# KiCad board jetson-agx-thor-baseboard.kicad_pcb (continued)
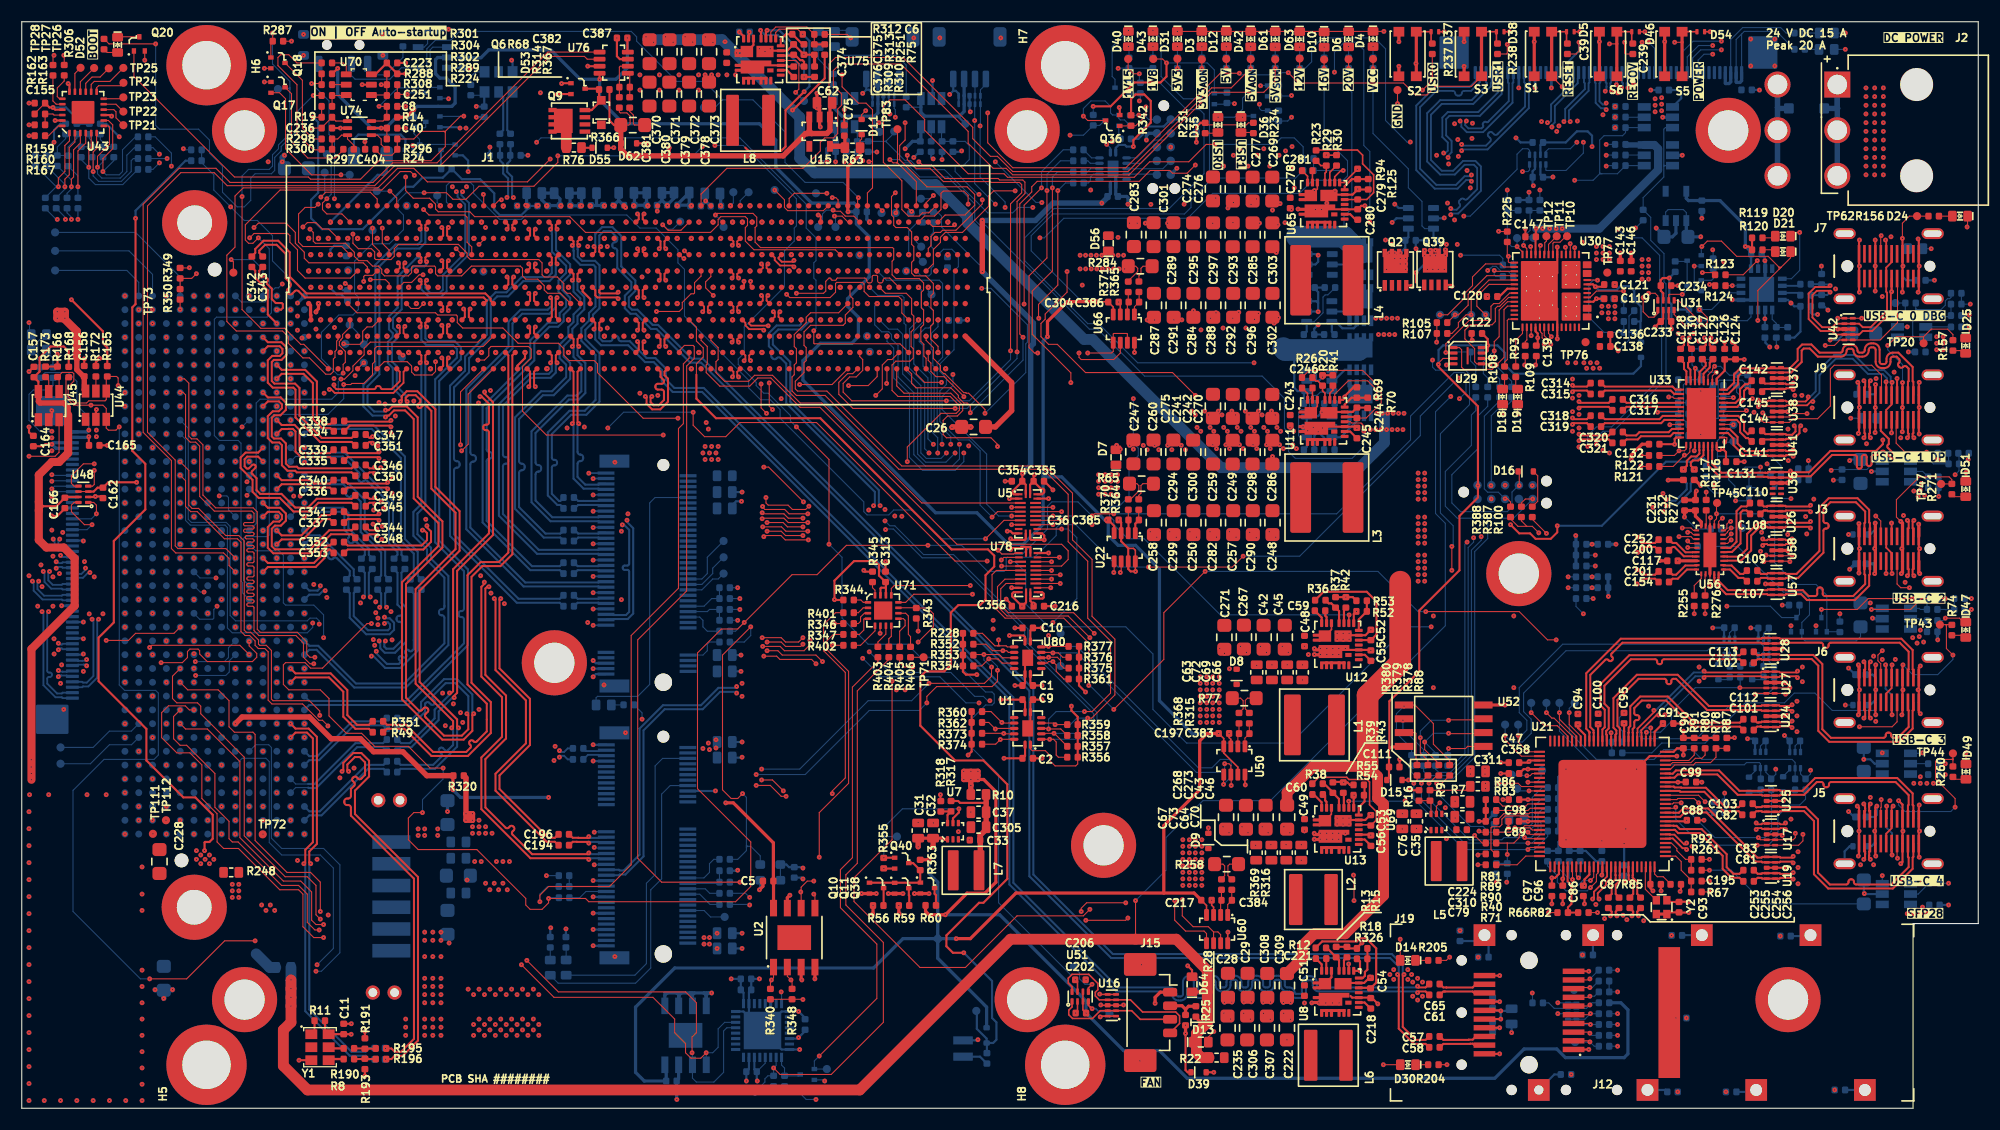
[diagram p0: board, top side]
## Copper pours and planes (outline as drawn; the poured copper is in the pictures) (continued)
/Expansion connector/+VCC_FMC on Bottom: 32.05,17.73 38.05,17.73 38.55,17.23 39.55,17.23 39.55,18.23 40.05,18.73 40.05,20.23 39.55,20.73 37.55,20.73 36.55,21.73 32.05,21.73
/M.2/3V3_M2 on Bottom: 64.57,54.01 60.32,54.01 60.32,41.51 62.67,41.51 63.57,42.41 64.57,42.41 64.57,39.51 57.87,39.51 57.87,55.96 62.17,55.96 62.17,57.41 60.37,57.41 60.37,58.91 64.57,58.91
GND on Top: 115.18,84.6 116.47,83.31 117.02,83.31 117.12,83.21 119.32,83.21 119.32,84.71 121.07,84.71 121.07,81.96 118.07,81.96 118.07,80.21 99.27,80.21 99.27,81.41 102.71,84.6
GND on Top: 115.27,71.41 116.07,72.21 116.07,73.46 115.63,73.9 103.32,73.9 103.32,71.41
GND on Top: 0.07,29.41 11.57,29.41 11.57,-0.29 0.07,-0.29
GND on Top: 67.47,97.91 69.27,97.91 69.27,95.11 69.07,94.91 66.07,94.91 66.07,93.71 64.07,93.71 63.67,93.31 56.87,93.31 56.87,97.24 63.75,97.24 64.28,96.71 65.27,96.71 65.47,96.51 67.47,96.51
GND on Top: 129.27,38.31 137.77,38.31 137.77,45.66 129.27,45.66
GND on Top: 81.88,24.35 87.52,24.35 87.71,25.43 87.71,27.87 86.76,27.87 85.94,26.53 85.93,25.95 85.04,25.96 84.5,26.66 81.88,26.67
GND on Top: 115.18,64.6 116.32,63.46 117.07,63.46 117.32,63.21 119.32,63.21 119.32,64.71 121.07,64.71 121.07,61.96 118.07,61.96 118.07,60.21 100.27,60.21 100.27,62.46 102.71,64.6
GND on Top: 126.36,24.75 132.27,24.75 132.27,28.81 131.27,28.81 130.42,27.38 130.41,26.8 129.52,26.81 128.98,27.51 126.36,27.52
GND on Top: 120.57,44.21 122.57,44.21 122.57,41.21 119.44,41.21 119.07,40.84 119.07,40.46 118.73,40.12 110.66,40.12 109.82,40.96 109.82,43.46 117.07,43.46 117.53,43 118.53,43 118.82,42.71 120.57,42.71
GND on Top: 120.57,10.71 120.57,12.21 122.57,12.21 122.57,9.21 119.32,9.21 119.32,7.96 118.07,7.96 117.57,7.46 110.32,7.46 109.82,7.96 109.82,11.21 117.32,11.21 117.7,10.83 118.7,10.83 118.82,10.71
GND on Top: 115.27,51.41 116.07,52.21 116.07,53.46 115.63,53.9 103.32,53.9 103.32,51.41
GND on Top: 11.82,22.96 13.32,22.96 13.57,23.21 13.57,24.71 17.32,24.71 17.32,26.71 15.82,28.21 11.82,28.21
GND on Top: 120.56,27.21 122.56,27.21 122.56,24.21 119.43,24.21 119.06,23.84 119.06,23.61 118.72,23.27 110.7,23.27 109.82,24.16 109.82,26.96 116.56,26.96 117.52,26 118.52,26 118.81,25.71 120.56,25.71
GND on Bottom: 32.07,17.71 38.07,17.71 38.57,17.21 39.92,17.21 39.92,5.71 32.07,5.71
GND on In1.Cu, In3.Cu, In6.Cu, In8.Cu: -4.93,103.71 185.07,103.71 185.07,-6.29 -4.93,-6.29
GND on In4.Cu: 26.27,68.31 42.07,84.2 51.07,84.2 70.07,84.21 70.47,65.31 78.67,57.11 60.57,57.11 60.57,52.7 56.57,48.7 39.07,48.7 33.57,43.2 33.57,40.2 32.57,39.2 25.07,39.2 23.07,41.2 23.07,68.31
VCC on Top: 120.56,25.71 120.56,27.21 119.57,27.21 118.32,28.46 118.32,30.21 117.82,30.71 114.07,30.71 112.82,29.46 110.32,29.46 109.82,28.96 109.82,26.96 116.57,26.96 117.52,26.01 117.52,26 118.52,26 118.81,25.71
VCC on Top: 67.47,96.51 65.47,96.51 65.27,96.71 64.28,96.71 63.74,97.24 56.87,97.24 56.87,99.91 66.27,99.91 66.27,97.91 67.47,97.91
VCC on Top: 117.32,11.21 117.7,10.83 118.7,10.83 118.82,10.71 120.57,10.71 120.57,12.21 119.57,12.21 118.57,13.21 118.57,14.21 110.82,14.21 109.82,13.21 109.82,11.21
VCC on Top: 123.87,76.46 130.57,76.46 131.07,75.96 131.07,50.46 128.32,47.71 119.07,47.71 118.57,47.21 118.57,45.21 119.57,44.21 120.57,44.21 120.57,42.71 118.82,42.71 118.53,43 117.53,43 117.07,43.46 109.82,43.46 109.82,47.46 113.77,51.41 115.27,51.41 116.07,52.21 124.07,52.21 124.07,66.96 123.07,67.96 117.82,67.96 117.32,67.46 117.32,65.46 118.07,64.71 119.32,64.71 119.32,63.21 117.32,63.21 117.07,63.46 116.32,63.46 115.05,64.6 108.57,64.6 108.57,70.46 109.52,71.41 115.27,71.41 116.07,72.21 123.32,72.21 123.87,72.76
VCC on Bottom: 122.57,73.46 122.57,70.96 126.82,70.96 126.82,73.46
VCC on Bottom: 122.57,64.71 122.57,62.06 127.67,62.06 127.67,64.71
VCC on Bottom: 47.47,19.71 42.87,19.71 42.07,20.51 40.05,20.51 40.05,18.61 40.67,17.99 40.67,6.11 41.07,5.71 48.07,5.71 48.07,19.11
VCC on In5.Cu: 37.07,17.71 37.07,-0.29 106.07,-0.29 106.07,19.31 109.88,19.31 109.82,30.46 113.07,33.71 122.07,33.71 131.07,42.71 131.07,73.31 102.05,73.31 98.07,69.33 98.07,43.71 77.07,22.71 65.07,22.71 60.07,17.71
VCC_IN on Top: 179.82,100.21 179.82,82.96 168.57,82.96 165.32,79.71 146.72,79.71 144.72,81.71 134.57,81.71 131.82,78.96 131.82,76.96 131.32,76.46 123.87,76.46 123.88,83.52 124.57,84.46 124.57,87.42 123.74,88.36 118.57,88.36 117.32,87.11 117.32,85.46 118.07,84.71 119.32,84.71 119.32,83.26 116.27,83.26 115.82,83.71 115.82,84.21 115.43,84.6 108.32,84.6 108.32,87.71 109.82,89.21 113.57,89.21 114.07,89.71 114.07,90.46 117.82,94.21 153.07,94.21 159.07,100.21
VCC_IN on In4.Cu: 137.57,81.7 141.62,81.7 142.62,80.7 182.07,80.7 182.07,100.2 117.59,100.2 108.56,91.16 108.56,84.7 116.57,76.7 132.57,76.7
/CSI/CSIA_3V3 on Top: 1.07,64.01 1.97,64.01 1.97,62.61 3.07,62.61 3.07,60.21 1.07,60.21
/CSI/CSIA_3V3 on Bottom: 2.07,60.11 3.37,60.11 3.37,60.51 3.97,60.51 3.97,61.51 3.37,61.51 3.37,62.61 2.07,62.61
/CSI/CSIA_5V on Top: 5.07,61.51 7.47,61.51 7.47,62.71 6.27,62.71 6.27,64.11 5.07,64.11
/CSI/CSIA_5V on Bottom: 5.37,61.51 7.47,61.51 7.47,62.71 5.37,62.71
/CSI/CSIB_3V3 on Bottom: 151.27,91.81 152.57,91.81 154.72,93.96 157.47,93.96 157.47,94.61 156.47,94.61 156.47,94.71 152.07,94.71 152.07,93.31 151.27,92.51 151.27,91.81
/CSI/CSIB_5V on Bottom: 157.57,94.62 158.57,94.62 158.57,92.71 158.07,92.21 155.07,92.21 154,91.14 154,88.21 151.37,88.21 151.27,88.31 151.27,89.71 152.57,89.71 152.57,91.71 154.72,93.86 157.57,93.86
/Expansion connector/+V_{ADJ} on Top: 11.82,20.81 19.07,20.81 19.07,23.46 18.32,23.46 17.57,24.21 13.82,24.21 13.82,22.96 13.57,22.71 11.82,22.71
/Expansion connector/+V_{ADJ} on Bottom: 13.82,27.71 13.82,20.71 19.07,20.71 19.07,27.71
/Power/USBPD1_HV on Top: 143.57,73.21 144.57,73.21 144.57,72.71 145.57,72.71 145.57,67.21 141.57,67.21 141.57,70.21 142.57,70.21 143.57,71.21
/Power/USBPD1_HV on Bottom: 145.47,67.71 145.47,73.41 145.42,73.46 126.82,73.46 126.82,70.96 124.57,70.96 124.57,68.81 122.47,68.81 122.47,67.41 119.82,67.41 119.82,64.31 122.17,64.31 122.57,64.71 127.67,64.71 129.97,67.01 129.97,69.11 131.27,70.41 135.87,70.41 138.57,67.71
/Power/USBPD2_HV on Top: 143.47,77.31 146.47,77.31 146.47,77.51 148.67,77.51 148.67,78.51 150.27,78.51 150.27,75.71 146.87,75.71 146.87,76.31 143.47,76.31
/Power/USBPD2_HV on Bottom: 119.36,77.66 137.57,77.66 139.57,79.71 149.07,79.71 150.57,78.21 150.57,76.46 149.32,75.21 144.57,75.21 142.82,73.46 120.57,73.46 119.32,74.71 119.32,77.63
/Recovery USB/USBC2_VBUS on Bottom: 170.07,54.31 173.27,54.31 173.27,47.11 173.07,46.91 173.07,43.71 168.27,43.71 168.27,44.91 170.07,44.91 170.07,44.51 170.12,44.46 171.87,44.46 171.87,46.26 170.07,48.06
/SFP/SH on In4.Cu: 131.82,16.93 174.07,16.93 174.07,-0.3 131.82,-0.3
/USB Debug, PD/USBC0_VBUS on Top: 143.47,77.31 146.47,77.31 146.47,79.71 143.47,79.71
/USB Debug, PD/USBC0_VBUS on Bottom: 173.27,71.51 173.27,70.51 169.67,70.51 169.67,80.71 173.67,80.71 173.67,74.71 173.47,74.51 172.67,74.51 171.97,73.81 171.97,71.31 172.17,71.51
/USB Debug, PD/USBC0_VBUS on In4.Cu: 174.07,73.2 174.07,80.7 143.57,80.7 143.57,73.2
/USB DP Alt mode/USBC1_VBUS on Top: 143.47,74.11 146.87,74.11 146.87,72.36 145.67,72.36 145.67,72.91 143.47,72.91
/USB DP Alt mode/USBC1_VBUS on Bottom: 171.87,58.11 168.27,58.11 168.27,56.71 173.07,56.71 173.07,61.71 173.47,62.11 173.47,67.01 172.37,67.01 172.37,66.81 170.27,66.81 170.27,61.51 171.87,59.91
/USB DP Alt mode/USBC1_VBUS on In4.Cu: 165.07,61.2 173.07,61.2 174.07,62.2 174.07,65.2 169.07,70.2 169.07,73.2 148.07,73.2 147.27,74.2 143.57,74.2 143.57,70.2 147.07,66.7 159.57,66.7
/USB Hub/USBC3_VBUS on Bottom: 168.47,31.71 170.27,31.71 170.67,31.31 171.87,31.31 171.87,33.11 170.27,34.71 170.27,41.11 174.47,41.11 174.47,35.71 173.07,34.31 173.07,30.31 168.47,30.31
/USB Hub/USBC4_VBUS on Bottom: 168.57,19.51 170.17,19.51 170.47,19.21 171.87,19.21 171.87,21.31 170.17,23.01 170.17,28.41 173.37,28.41 174.17,27.61 174.17,22.01 173.47,21.31 173.17,21.31 172.97,21.11 172.97,18.21 172.87,18.11 168.57,18.11
SYS_VIN_HV on Top: 29.27,69.31 29.27,74.31 25.27,74.31 24.87,73.91 24.87,71.51 27.07,69.31
SYS_VIN_HV on Top: 101.27,56.31 101.57,56.61 102.17,56.61 102.51,56.98 102.51,58.51 102.37,58.71 101.47,58.71 87.82,72.36 87.82,80.71 87.57,80.96 84.57,80.96 84.57,68.46 96.72,56.31
SYS_VIN_HV on Bottom: 23.57,85.81 24.87,85.81 24.87,87.31 27.07,87.31 27.07,85.31 26.07,85.31 26.07,81.71 27.07,80.71 29.07,80.71 29.07,74.71 26.57,74.71 23.57,77.71
SYS_VIN_HV on In4.Cu: 105.07,45.2 90.98,45.2 70.11,65.75 70.07,84.21 51.36,84.2 42.75,84.2 26.27,68.31 23.07,68.31 23.07,89.21 18.57,89.21 18.57,101.21 95.07,101.2 96.07,100.2 96.07,73.7 105.07,64.7

## Text on the board
B.Silkscreen: CSI A | JTAG | CSI B | USB PD/HUB | DRV | M.2 M | M.2 E | BT | WLAN | I2C x2
User.Eco1: 6-pin Molex Mini-Fit / power connector (J2) | USB-C 0 LED | USB-C 0 (J7) | USB-C 1 LED | USB-C 1 (J9) | USB-C 2 LED | USB-C 2 (J3) | USB-C 3 LED | USB-C 3 (J6) | USB-C 4 LED | USB-C 4 (J5) | SFP+ LEDs | SFP+ connector (J12) | Jetson connector (J1) | JTAG Debug connector (J4) | FAN connector (J15) | Power status LEDs | USR0 LED | USR1 LED | USR0 button | USR1 button | Reset button | Recovery button | Power button
User.Eco2: FMC+ expansion connector (J18) | M.2 key M (13) | M.2 key E (14) | CSI A (J11) | Automatic boot switch | Power expansion connector (J8) | CSI B (J10) | Storage LED | BT LED | WiFi LED | I2C QWIIC connector (J16) | I2C QWIIC connector (J17)
F.Mask: Baseboard for Jetson AGX Thor / Rev. ${REVISION}   02/2026
F.Silkscreen: PCB SHA ######## | FAN | 24 V DC 15 A / Peak 20 A | + | ON | OFF Auto-startup | DC POWER | USB-C 4 | SFP28 | USB-C 0 DBG | USB-C 1 DP | USB-C 2 | USB-C 3 | BOOT | USR0 | USR1 | RESET | RECOV | POWER | 1V15 | 1V8 | 3V3 | 3V3_{AON} | 5V | 5V_{AON} | 5V_{SOM} | 12V | 16V | 20V | VCC | GND
